# Altium PCB carrier.PcbDoc (part 4 of 5)
Units mm, origin at the board's own origin, x right, y up, seen from the top; angles counter-clockwise.
Board outline 140 x 87 mm, 4 copper layers (Component Side, Power_layer1, Power_layer2, Solder Side), stack 1.674 mm thick; 384 components, 416 nets, 1916 pads, 853 vias.
Unrouted connection lines stored in the file: 26.
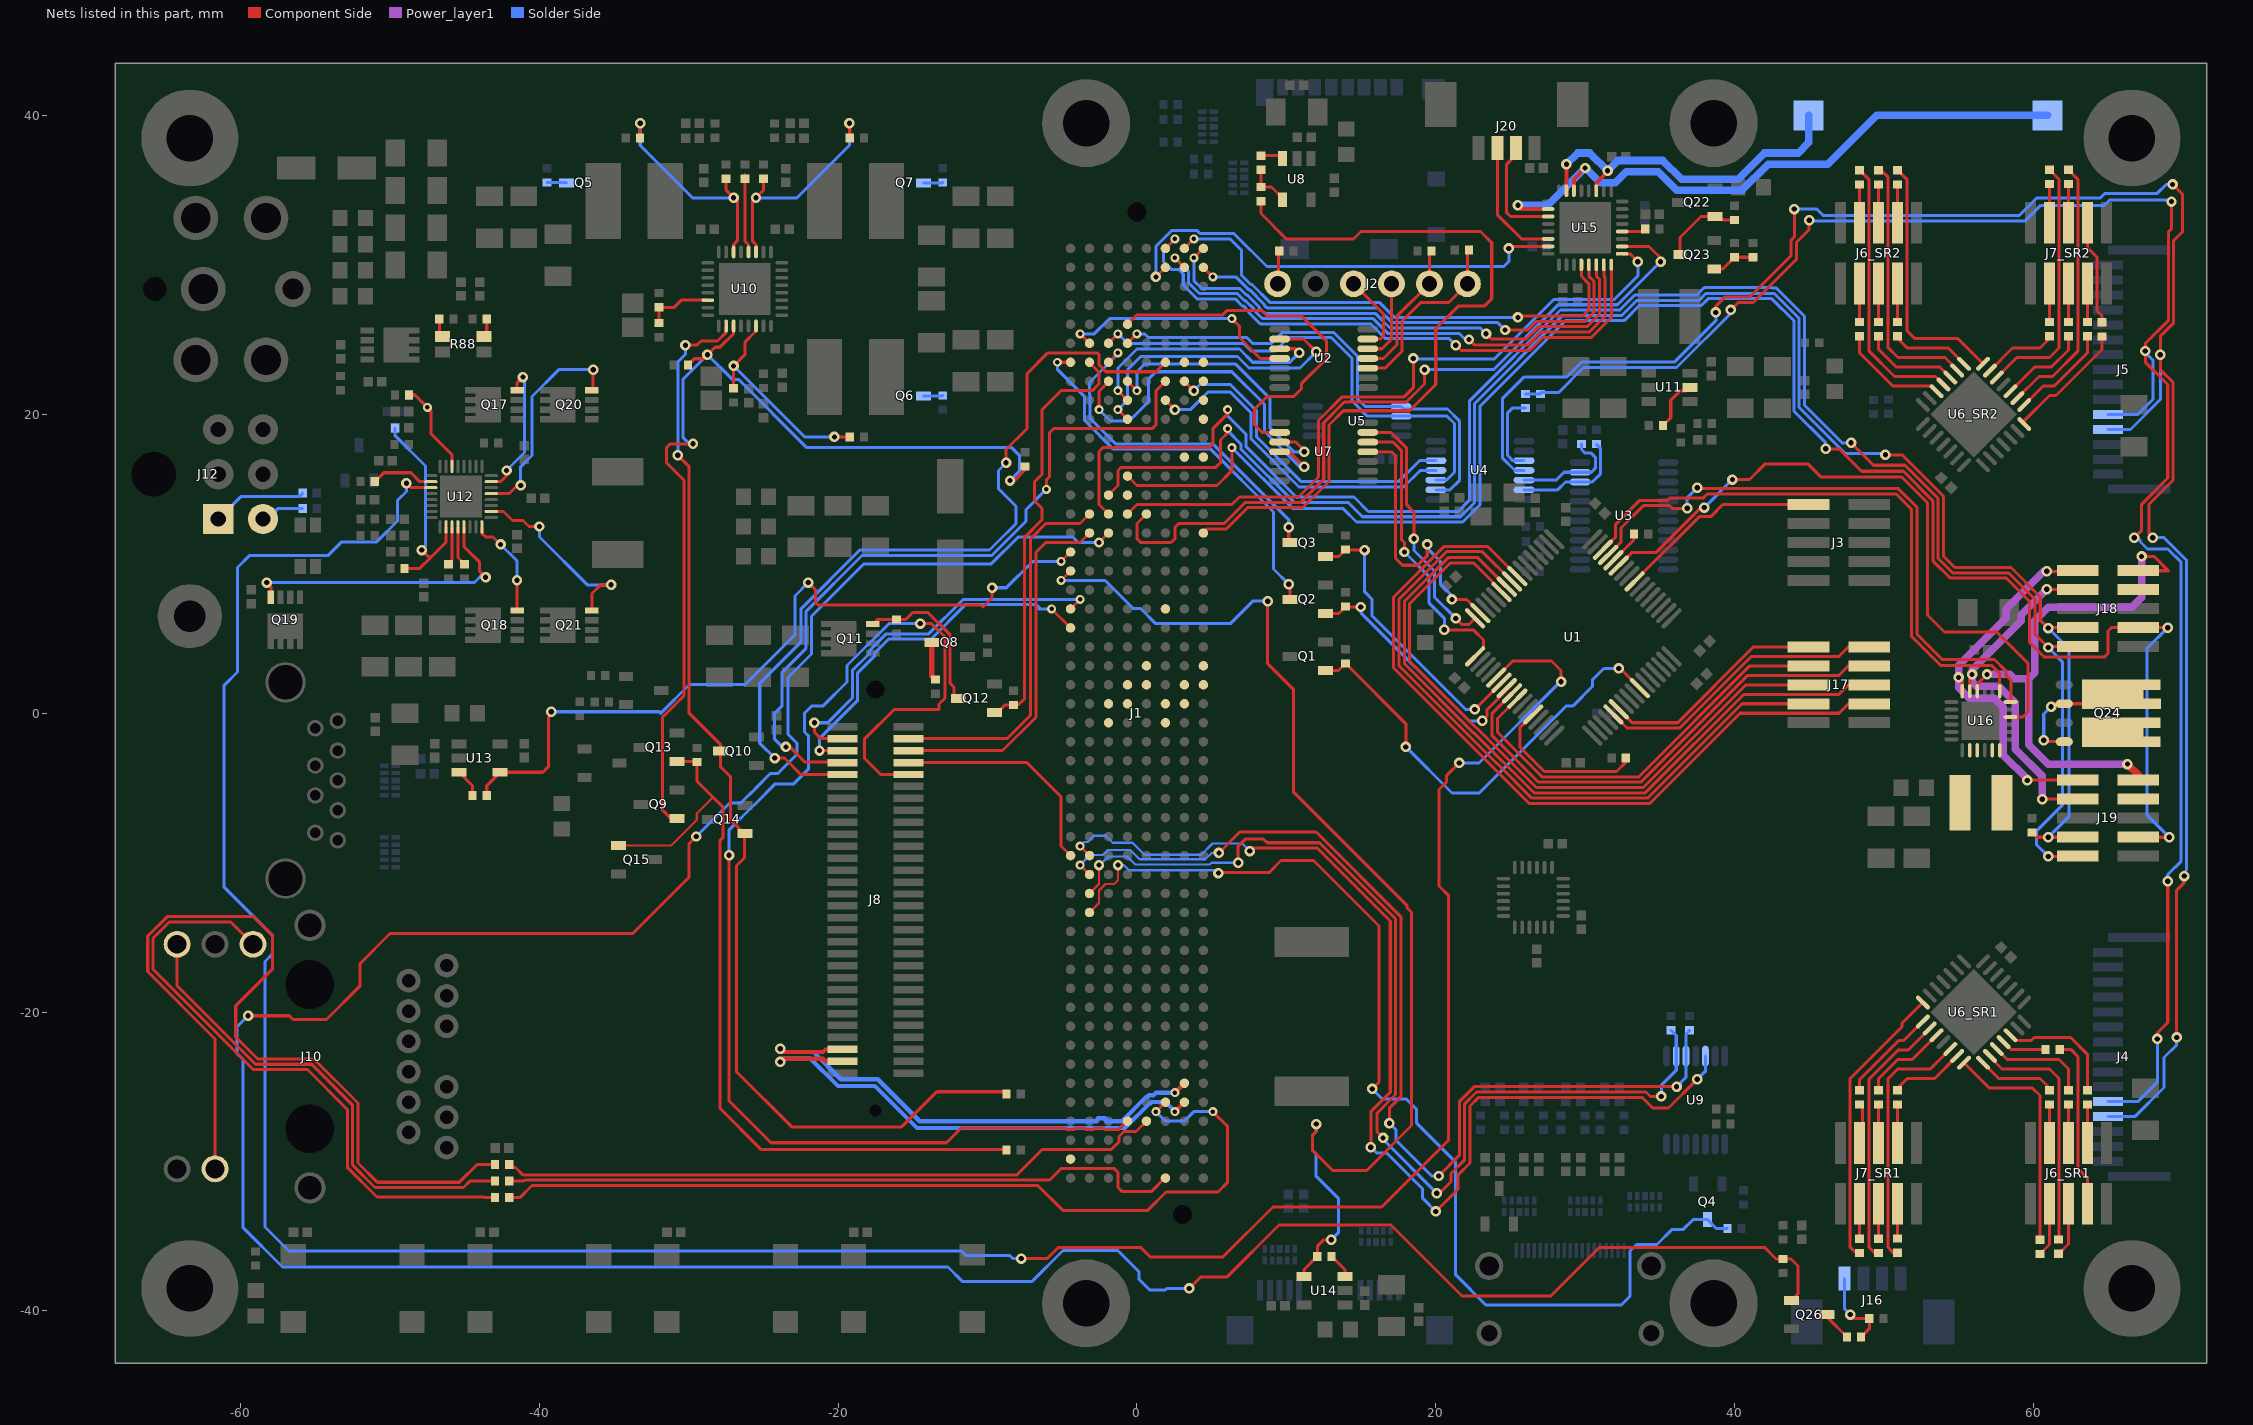
[diagram p6: the nets of this part, all layers, seen from the top]

## Via types
v1: diameter 0.7, hole 0.35, Component Side to Solder Side, 418 vias
v2: diameter 0.7, hole 0.35, Component Side to Solder Side, tented both sides, 128 vias
v3: diameter 0.6, hole 0.3, Component Side to Solder Side, tented top, 101 vias
v4: diameter 0.7, hole 0.35, Component Side to Solder Side, tented top, 72 vias
v5: diameter 0.7, hole 0.4, Component Side to Solder Side, 48 vias
v6: diameter 0.6, hole 0.3, Component Side to Solder Side, 39 vias
v7: diameter 0.7, hole 0.35, Component Side to Solder Side, tented bottom, 36 vias
v8: diameter 0.7, hole 0.4, Component Side to Solder Side, tented bottom, 7 vias
v9: diameter 1.27, hole 0.711, Component Side to Solder Side, 2 vias
v10: diameter 0.6, hole 0.3, Component Side to Solder Side, tented bottom, 2 vias

## Nets (pads, with @x,y where several pads share a name; then routed paths per layer and width w, separated by ;. In a path a pad name is that pad's centre, name@x,y a point inside that pad or via, vN(x,y) a via of type N, cw(c..) or ccw(c..) an arc to the next point about the centre after c; other vN are vias at no path point) (continued)
NetJ1_A7: J1.A7 Q2.D | length 27.1
  Component Side w0.203: v3(-5.334,23.495) J1.A7@-4.445,23.495 ; v1(10.16,8.636) 10.23,8.566 Q2.D@10.23,7.62
  Solder Side w0.203: v3(-5.334,23.495) -5.207,23.368 -5.334,23.241 -5.334,23.027 -3.5,21.193 -3.5,19.6 -1.578,17.678 4.933,17.678 9.144,13.467 9.144,9.652 v1(10.16,8.636)
NetJ1_A17: J1.A17 R102.1 U13.4 | length 52.1
  Component Side w0.203: R102.1@-43.525,-5.5 -43.525,-4.85 U13.4@-42.625,-3.95 -39.764,-3.95 -39.4,-3.586 -39.4,-0.3 -39.2,-0.1 v1(-39.2,0.1) ; v1(-22,8.75) -21.504,8.254 -21.504,7.395 -21.355,7.246 -10.434,7.246 -10.3,7.112 -9.7,7.712 v1(-9.7,8.4) ; v3(-5.08,10.16) J1.A17@-4.445,10.795
  Solder Side w0.203: v1(-39.2,0.1) -31.977,0.1 -31.877,0 -29.947,1.93 -26.229,1.93 -22.894,5.265 -22.894,7.856 v1(-22,8.75) ; v1(-9.7,8.4) -8.745,8.4 -6.985,10.16 v3(-5.08,10.16)
NetJ1_A18: J1.A18 R103.1 U14.4 | length 78.2
  Component Side w0.203: v3(-5.08,8.89) J1.A18@-4.445,9.525 ; v1(8.75,7.5) 8.75,3.32 10.465,1.606 10.465,-5.262 18.085,-12.882 18.085,-13.03 18.378,-13.324 18.378,-27.602 15.374,-30.606 13.106,-30.606 11.75,-29.25 11.75,-28.25 12,-28 v1(12,-27.5) ; U14.4@11.175,-37.7 11.175,-37.25 R103.1@12.075,-36.35 12.075,-35.675 12.5,-35.25 v1(13,-35.25)
  Solder Side w0.203: v3(-5.08,8.89) -2.124,8.89 -0.25,7.016 0.234,7.016 1.25,6 6.25,6 7.75,7.5 v1(8.75,7.5) ; v1(12,-27.5) 12,-28 11.75,-28.25 11.75,-29.25 12,-29.5 12,-31 13.5,-32.5 13.5,-34.75 v1(13,-35.25)
NetJ1_A20: J1.A20 J8.3 | length 26
  Component Side w0.203: v1(-21.59,-0.635) -21.59,-1.27 -21.16,-1.7 J8.3@-19.7,-1.7 ; J1.A20@-4.445,6.985 v3(-3.81,7.62)
  Solder Side w0.203: v1(-21.59,-0.635) -20.701,-0.635 -19.05,1.016 -19.05,2.856 -17.91,3.997 -17.91,4.188 -16.783,5.315 -13.937,5.315 -11.633,7.62 v3(-3.81,7.62)
NetJ1_A21: J1.A21 J8.5 | length 24.8
  Component Side w0.203: v1(-21.25,-2.5) J8.5@-19.7,-2.5 ; v3(-5.715,6.985) J1.A21@-4.445,5.715
  Solder Side w0.203: v1(-21.25,-2.5) -21.25,-1.687 -21.063,-1.5 -18.694,0.869 -18.694,2.709 -17.554,3.849 -17.554,4.036 -16.63,4.96 -13.79,4.96 -11.486,7.264 -6.731,7.264 -6.515,7.048 -6.579,6.985 v3(-5.715,6.985)
NetJ1_A33: J1.A33 J8.8 | length 15.4
  Component Side w0.203: J8.8@-15.3,-3.3 -7.368,-3.3 -5.08,-5.588 -5.08,-8.89 J1.A33@-4.445,-9.525
NetJ1_A49: J1.A49
NetJ1_B6: J1.B6 U2.4 | length 16.2
  Component Side w0.203: v3(-3.81,25.4) J1.B6@-3.175,24.765 ; v3(6.35,26.416) 6.858,25.908 6.858,25.146 8.254,23.75 U2.4@9.55,23.75
  Solder Side w0.203: v3(-3.81,25.4) -2.85,25.4 -1.834,26.416 v3(6.35,26.416)
NetJ1_B7: J1.B7 Q12.G R82.2 | length 28.9
  Component Side w0.203: Q12.G@-9.55,0.05 -9.35,0.05 -8.855,0.545 -8.255,0.545 R82.2@-8.25,0.55 -7.95,0.55 -7.518,0.982 -7.518,11.786 -6.354,12.95 -6.354,13.72 -6.858,14.224 -6.858,15.494 -6.354,15.998 -6.354,20.316 -5.08,21.59 -3.002,21.59 -2.54,22.052 -2.54,22.819 -3.175,23.454 J1.B7@-3.175,23.495
NetJ1_B15: J1.B15 J8.4 | length 25.3
  Component Side w0.203: J8.4@-15.3,-1.7 -8.7,-1.7 -7.112,-0.112 -7.112,11.689 -6.101,12.7 -3.81,12.7 J1.B15@-3.175,13.335
NetJ1_B16: J1.B16 J8.6 | length 24.6
  Component Side w0.203: J8.6@-15.3,-2.5 -8.997,-2.5 -6.756,-0.259 -6.756,10.77 -6.096,11.43 -3.81,11.43 J1.B16@-3.175,12.065
NetJ1_B33: J1.B33 U9.5 | length 73.6
  Component Side w0.203: v3(-3.81,-8.89) J1.B33@-3.175,-9.525 ; v1(7.55,-9.225) 7.75,-9.025 12.068,-9.025 16.956,-13.913 16.956,-25.37 15.652,-26.674 v1(15.652,-29.048) ; v1(20,-33.35) 21.5,-31.85 21.5,-30.9 22.29,-30.11 22.29,-26.291 22.87,-25.711 33.811,-25.711 34.525,-26.425 35.575,-26.425 v1(37.5,-24.5)
  Solder Side w0.152: v3(-3.81,-8.89) -3.536,-8.616 -3.291,-8.616 -2.88,-8.205 -2.095,-8.205 -1.625,-8.675 -0.292,-8.675 0.502,-9.469 4.306,-9.469 5.05,-8.725 7.05,-8.725 v1(7.55,-9.225)
  Solder Side w0.203: v1(15.652,-29.048) 16.029,-29.425 16.7,-29.425 19.121,-31.846 19.121,-32.471 v1(20,-33.35) ; v1(37.5,-24.5) 38,-24 38.05,-24 U9.5@38.05,-22.95
NetJ1_B34: J1.B34 R33.1 U9.3 | length 70.1
  Component Side w0.203: v3(-3.81,-10.16) J1.B34@-3.175,-10.795 ; v4(5.487,-9.35) 6.887,-7.95 11.999,-7.95 17.667,-13.618 17.667,-25.665 16.891,-26.441 16.891,-27.441 v1(16.9,-27.45) ; v1(20.2,-30.975) 21.578,-29.597 21.578,-25.997 22.575,-25 v1(36.125,-25)
  Solder Side w0.152: v3(-3.81,-10.16) -3.144,-9.494 -2.29,-9.494 -1.946,-9.15 -0.45,-9.15 0.173,-9.773 4.577,-9.773 5,-9.35 v4(5.487,-9.35)
  Solder Side w0.203: v1(16.9,-27.45) 17.35,-27.9 17.35,-28.6 19.725,-30.975 v1(20.2,-30.975) ; v1(36.125,-25) 36.75,-24.375 U9.3@36.75,-22.95 36.75,-21.475 R33.1@37,-21.225
NetJ1_B35: J1.B35 R32.1 U9.2 | length 72
  Component Side w0.152: J1.B35@-3.175,-12.065 -2.54,-11.43 v4(-2.54,-10.16)
  Component Side w0.203: v4(6.775,-10) 6.775,-8.9 7.25,-8.425 8.475,-8.425 8.719,-8.669 12.215,-8.669 17.311,-13.765 17.311,-25.518 16.075,-26.754 16.075,-28.025 v1(16.475,-28.425) ; v1(20.075,-32.125) 20.25,-32.125 21.019,-31.356 21.019,-30.803 21.934,-29.888 21.934,-26.144 22.722,-25.356 34.075,-25.356 34.369,-25.65 v1(35.1,-25.65)
  Solder Side w0.152: v4(-2.54,-10.16) -2.489,-10.16 -1.91,-9.581 -0.669,-9.581 -0.121,-10.129 4.871,-10.129 5,-10 v4(6.775,-10)
  Solder Side w0.203: v1(16.475,-28.425) 16.475,-28.525 v1(20.075,-32.125) ; v1(35.1,-25.65) 35.1,-24.9 36.1,-23.9 U9.2@36.1,-22.95 36.1,-21.575 R32.1@35.75,-21.225
NetJ1_B36: J1.B36 Q4.D R28.1 | length 74.4
  Component Side w0.152: J1.B36@-3.175,-13.335 -2.54,-12.7 -2.54,-11.861 -2.109,-11.43 -1.524,-11.43 -1.27,-11.176 v4(-1.27,-10.16)
  Component Side w0.203: v4(5.45,-10.7) 5.482,-10.668 8.832,-10.668 9.645,-9.855 11.814,-9.855 16.2,-14.241 16.2,-24.694 v1(15.748,-25.146)
  Solder Side w0.152: v4(-1.27,-10.16) -0.883,-10.16 -0.543,-10.5 5.25,-10.5 v4(5.45,-10.7)
  Solder Side w0.203: v1(15.748,-25.146) 16.427,-25.825 18.025,-25.825 18.725,-26.525 18.725,-27.439 21.336,-30.05 21.336,-37.592 23.368,-39.624 32.4,-39.624 33,-39.024 33,-36 33.435,-35.565 34.804,-35.565 35.825,-34.544 36.576,-34.544 37.22,-33.9 Q4.D@38.2,-33.9 38.8,-34.5 R28.1@39.525,-34.5
NetJ1_C6: J1.C6 U4.3 U5.6 | length 33
  Component Side w0.203: J1.C6@-1.905,24.765 v3(-1.27,25.4)
  Solder Side w0.203: v3(-1.27,25.4) -0.635,24.765 7.132,24.765 7.647,24.25 9.25,24.25 10.146,25.146 13.008,25.146 14.404,23.75 14.404,23.25 14.394,23.24 14.394,20.912 15.423,19.883 U5.6@17.682,19.883 20.757,19.883 21.25,19.39 21.25,16.138 20.718,15.606 U4.3@20.012,15.606
NetJ1_C7: J1.C7 Q3.D | length 23.8
  Component Side w0.203: J1.C7@-1.905,23.495 v3(-1.27,24.13) ; v1(10.16,12.446) 10.16,11.5 Q3.D@10.23,11.43
  Solder Side w0.203: v3(-1.27,24.13) -1.27,24.043 -3.175,22.138 -3.175,21.371 -3.144,21.34 -3.144,19.747 -1.431,18.034 5.08,18.034 10.16,12.954 v1(10.16,12.446)
NetJ1_C8: J1.C8 U7.4 | length 24.2
  Component Side w0.203: v3(-2.54,20.32) -2.54,21.549 -1.905,22.184 J1.C8@-1.905,22.225 ; U7.4@9.55,17.5 10.2,17.5 v1(11.2,16.5)
  Solder Side w0.203: v3(-2.54,20.32) -1.778,19.558 -0.508,19.558 0.762,20.828 0.762,22.352 1.27,22.86 6.35,22.86 8.534,20.676 8.534,18.866 10.9,16.5 v1(11.2,16.5)
NetJ1_C16: J1.C16 Q26.G R31.1 | length 209.6
  Component Side w0.203: v1(-59.5,-20.25) -56.75,-20.25 -56.5,-20.5 -54.25,-20.5 -52,-18.25 -52,-16.75 -50,-14.75 -33.75,-14.75 -30,-11 -30,-8.75 v1(-29.5,-8.25) ; v4(-2.54,11.43) J1.C16@-1.905,12.065 ; v1(3.5,-38.5) 4.25,-37.75 6.003,-37.75 9.503,-34.25 17,-34.25 21.752,-39.002 27.705,-39.002 30.957,-35.75 42,-35.75 42.775,-36.525 R31.1@43.25,-36.525 43.775,-36.525 44.25,-37 44.25,-38.85 Q26.G@43.8,-39.3
  Solder Side w0.203: v1(-59.5,-20.25) -60.25,-21 -60.25,-22.75 -59.856,-23.144 -59.856,-34.41 -57.199,-37.067 -12.655,-37.067 -11.698,-38.024 -7.018,-38.024 -4.955,-35.961 -1.295,-35.961 0.144,-37.4 0.144,-37.897 0.853,-38.606 1.892,-38.606 1.997,-38.5 v1(3.5,-38.5) ; v1(-29.5,-8.25) -27.247,-5.997 -26.503,-5.997 -25.936,-5.43 -25.912,-5.43 -25.558,-5.076 -25.558,-5.052 -24.545,-4.039 -24.042,-4.039 -22.751,-2.749 -22.751,-2.001 -23.356,-1.397 -23.356,2.394 -21.789,3.961 -21.789,6.487 -18.276,10 -9.75,10 -7.964,11.786 -4.286,11.786 -3.93,11.43 v4(-2.54,11.43)
NetJ1_C25: J1.C25
NetJ1_C26: J1.C26
NetJ1_D5: J1.D5 U7.2 | length 25.1
  Component Side w0.203: J1.D5@-0.635,26.035 0,26.67 5.75,26.67 6.05,26.97 8.33,26.97 8.7,26.6 11,26.6 12.7,24.9 12.7,23.75 11,22.05 11,21.7 10.5,21.2 8.718,21.2 7.874,20.356 7.874,19.304 8.378,18.8 U7.2@9.55,18.8
NetJ1_D6: J1.D6 U4.2 U5.5 | length 33
  Component Side w0.203: J1.D6@-0.635,24.765 v3(0,25.4)
  Solder Side w0.203: v3(0,25.4) 0.508,25.4 0.762,25.146 7.354,25.146 7.75,24.75 9,24.75 9.752,25.502 13.155,25.502 14.76,23.897 14.76,23.103 14.75,23.093 14.75,21.064 15.281,20.533 U5.5@17.682,20.533 17.853,20.362 20.781,20.362 21.606,19.537 21.606,15.606 20.956,14.956 U4.2@20.012,14.956
NetJ1_D8: J1.D8 U7.3 | length 19.3
  Component Side w0.203: J1.D8@-0.635,22.225 v3(0,21.59) ; U7.3@9.55,18.15 10.65,18.15 11.3,17.5 v1(11.2,17.5)
  Solder Side w0.203: v3(0,21.59) 0,22.86 0.508,23.368 6.604,23.368 8.89,21.082 8.89,19.11 10.5,17.5 v1(11.2,17.5)
NetJ1_D9: J1.D9 U2.3 | length 17.2
  Component Side w0.203: v3(-1.27,21.59) J1.D9@-0.635,20.955 ; U2.3@9.55,24.4 10.6,24.4 v1(10.87,24.13)
  Solder Side w0.203: v3(-1.27,21.59) -1.27,23.114 0,24.384 6.858,24.384 7.747,23.495 10.235,23.495 v1(10.87,24.13)
NetJ1_D10: J1.D10 U2.2 | length 20.4
  Component Side w0.203: v3(-1.27,20.32) J1.D10@-0.635,19.685 ; U2.2@9.55,25.05 11.145,25.05 v1(12,24.195)
  Solder Side w0.203: v3(-1.27,20.32) -0.635,20.955 -0.635,22.987 0.254,23.876 6.736,23.876 7.498,23.114 10.919,23.114 v1(12,24.195)
NetJ1_D14: J1.D14
NetJ1_D15: J1.D15 U15.9 | length 46.4
  Component Side w0.203: J1.D15@-0.635,13.335 0,13.97 6.35,13.97 6.858,14.478 10.81,14.478 12.147,15.814 12.147,19.595 13.736,21.184 17.887,21.184 18.5,21.797 v1(18.5,23.75) ; U15.9@32.475,30.75 33.004,30.75 v1(33.528,30.226)
  Solder Side w0.203: v1(18.5,23.75) 18.532,23.718 23.918,23.718 27.9,27.7 31.956,27.7 33.528,29.272 v1(33.528,30.226)
NetJ1_D24: J1.D24
NetJ1_D25: J1.D25
NetJ1_D47: J1.D47 J8.10 | length 86.1
  Component Side w0.203: v1(-27.3,-9.5) -27.3,-25.95 -24.5,-28.75 -12.748,-28.75 -11.748,-27.75 -4.808,-27.75 -4.682,-27.876 -4.208,-27.876 -4.082,-27.75 -3.538,-27.75 -3.412,-27.876 -2.938,-27.876 -2.812,-27.75 -2.268,-27.75 -2.142,-27.876 -1.248,-27.876 -0.676,-27.305 J1.D47@-0.635,-27.305 ; J8.10@-15.3,-4.1 -17.15,-4.1 -18.25,-3 -18.25,-1.75 -16.25,0.25 -13.25,0.25 -13.25,0.616 -12.856,1.01 -12.856,5.103 -13.753,6 v1(-14.5,6)
  Solder Side w0.203: v1(-27.3,-9.5) -27.3,-7.8 -25.641,-6.141 -25.617,-6.141 -24.847,-5.371 -24.847,-5.347 -24.25,-4.75 -23,-4.75 -22,-3.75 -22,-1.5 -22.25,-1.25 -22.25,0 -21.75,0.5 -21,0.5 -19.406,2.094 -19.406,3.195 -16.601,6 v1(-14.5,6)
NetJ1_E15: J1.E15 U15.10 | length 51.6
  Component Side w0.203: J1.E15@0.635,13.335 0,12.7 0,11.684 0.254,11.43 2.286,11.43 2.54,11.684 2.54,12.446 2.794,12.7 5.842,12.7 7.264,14.122 10.958,14.122 12.502,15.667 12.502,19.447 13.883,20.828 18.034,20.828 19.25,22.044 v1(19.25,23) ; U15.10@32.475,31.25 34.282,31.25 35.306,30.226 v1(35.052,30.226)
  Solder Side w0.203: v1(19.25,23) 23.862,23 28.206,27.344 32.17,27.344 v1(35.052,30.226)
NetJ1_E23: J1.E23
NetJ1_E24: J1.E24
NetJ1_E47: J1.E47 R27.2 | length 44.6
  Component Side w0.203: R27.2@-42.025,-30.2 -41.825,-30.4 -41.6,-30.4 -41.106,-30.894 -8.034,-30.894 -6.35,-29.21 -1.732,-29.21 -1.206,-28.685 -1.206,-28.338 -0.872,-28.003 -0.064,-28.003 J1.E47@0.635,-27.305
NetJ1_F1: J1.F1 U15.8 | length 40.1
  Component Side w0.203: J1.F1@1.905,31.115 v3(2.54,31.75) ; v1(21.336,24.638) 21.692,24.282 26.299,24.282 27.181,25.164 30.426,25.164 31.75,26.488 U15.8@31.75,30.025
  Solder Side w0.203: v3(2.54,31.75) 1.778,30.988 1.778,30.226 2.286,29.718 2.799,29.718 3.099,29.418 3.099,28.661 4.023,27.737 6.574,27.737 7.036,27.274 7.108,27.274 7.462,26.92 7.462,26.848 8.206,26.104 8.25,26.104 8.297,26.058 15.661,26.058 16.641,25.078 20.896,25.078 v1(21.336,24.638)
NetJ1_F2: J1.F2 U15.31 | length 31.7
  Component Side w0.203: v4(1.27,29.21) J1.F2@1.905,29.845 ; v1(24.892,31.115) 25.027,31.25 U15.31@27.525,31.25
  Solder Side w0.203: v4(1.27,29.21) 1.27,31.275 1.282,31.275 2.311,32.304 4.039,32.304 4.238,32.106 6.502,32.106 8.704,29.904 24.552,29.904 24.892,30.244 v1(24.892,31.115)
NetJ1_F7: J1.F7 J8.9 | length 55.7
  Component Side w0.203: v1(-24.25,-3) -23.6,-3 -22.5,-4.1 J8.9@-19.7,-4.1 ; v1(-8.763,16.764) -8.763,17.653 -7.366,19.05 -7.366,22.733 -5.969,24.13 -2.667,24.13 -2.54,24.003 -2.54,23.322 -2.078,22.86 1.27,22.86 J1.F7@1.905,23.495
  Solder Side w0.203: v1(-24.25,-3) -25.25,-2 -25.25,2 -22.5,4.75 -22.5,6.969 -18.547,10.922 -9.867,10.922 -9.398,11.391 -8.1,12.688 -8.1,13.852 -9.271,15.023 -9.271,16.256 v1(-8.763,16.764)
NetJ1_F8: J1.F8 J8.7 | length 49
  Component Side w0.203: v1(-23.5,-2.25) -23.25,-2.25 -22.25,-3.25 -19.75,-3.25 J8.7@-19.7,-3.3 ; v3(-6.071,14.986) -6.071,15.615 -5.842,15.843 -5.842,18.796 -5.588,19.05 1.016,19.05 1.27,19.304 1.27,21.59 J1.F8@1.905,22.225
  Solder Side w0.203: v1(-23.5,-2.25) -23.75,-2.25 -24.25,-1.75 -24.25,0 -23.75,0.5 -23.75,2.75 -22.144,4.356 -22.144,6.822 -18.4,10.566 -9.719,10.566 -9.127,11.159 -7.432,12.854 -7.432,13.625 v3(-6.071,14.986)
NetJ1_F9: J1.F9 U4.4 | length 23
  Component Side w0.203: J1.F9@1.905,20.955 v4(2.54,20.32)
  Solder Side w0.203: v4(2.54,20.32) 3.57,20.32 4.75,21.5 6.247,21.5 7.644,20.103 7.644,18.353 10.853,15.144 17.844,15.144 18.956,16.256 U4.4@20.012,16.256
NetJ1_F20: J1.F20
NetJ1_F25: J1.F25
NetJ1_F26: J1.F26
NetJ1_F46: J1.F46 R36.1 | length 60.3
  Component Side w0.203: R36.1@-42.025,-32.4 -41.29,-32.4 -40.501,-31.611 -6.639,-31.611 -4.976,-33.274 0.713,-33.274 1.945,-32.042 5.423,-32.042 6.071,-31.394 6.071,-27.661 v3(5.08,-26.67) ; v3(1.27,-26.67) J1.F46@1.905,-26.035
  Solder Side w0.203: v3(1.27,-26.67) 1.905,-27.305 3.175,-27.305 3.81,-26.67 v3(5.08,-26.67)
NetJ1_F50: J1.F50 R37.2 | length 45.9
  Component Side w0.203: R37.2@-42.025,-31.3 -41.05,-31.3 -41,-31.25 -5.842,-31.25 -5.08,-30.488 -1.516,-30.488 -1.27,-30.734 -1.27,-31.746 -1.016,-32 0.981,-32 1.866,-31.115 J1.F50@1.905,-31.115
NetJ1_G1: J1.G1 U15.4 | length 33.9
  Component Side w0.203: J1.G1@3.175,31.115 v3(3.81,31.75) ; v1(25.5,26.5) 25.586,26.586 29.836,26.586 30.25,27 30.25,28.75 29.75,29.25 U15.4@29.75,30.025
  Solder Side w0.203: v3(3.81,31.75) 6.25,31.75 7,31 7,29.322 7.626,28.696 7.697,28.696 8.914,27.48 16.25,27.48 17.23,26.5 v1(25.5,26.5)
NetJ1_G2: J1.G2 U15.7 | length 37
  Component Side w0.203: v3(2.54,30.48) J1.G2@3.175,29.845 ; v1(22.225,25.019) 22.606,24.638 26.152,24.638 27.033,25.52 30.278,25.52 31.317,26.558 31.317,29.192 31.25,29.259 U15.7@31.25,30.025
  Solder Side w0.203: v3(2.54,30.48) 3.454,29.566 3.454,28.809 4.171,28.092 6.721,28.092 7.184,27.63 7.255,27.63 7.818,27.067 7.818,26.996 8.354,26.46 8.397,26.46 8.444,26.413 15.808,26.413 16.788,25.433 21.557,25.433 22.098,24.892 v1(22.225,25.019)
NetJ1_G7: J1.G7
NetJ1_G8: J1.G8 U4.5 | length 21.6
  Component Side w0.203: J1.G8@3.175,22.225 v4(3.81,21.59)
  Solder Side w0.203: v4(3.81,21.59) 4.22,22 6.25,22 8,20.25 8,18.5 11,15.5 17.5,15.5 18.906,16.906 U4.5@20.012,16.906
NetJ1_G12: J1.G12
NetJ1_G24: J1.G24
NetJ1_G25: J1.G25
NetJ1_H1: J1.H1 U15.6 | length 35.3
  Component Side w0.203: v3(3.81,30.48) J1.H1@4.445,31.115 ; v1(23.368,25.4) 23.718,25.05 26.061,25.05 26.886,25.875 30.131,25.875 30.961,26.705 30.961,29.045 30.75,29.256 U15.6@30.75,30.025
  Solder Side w0.203: v3(3.81,30.48) 3.81,28.956 4.318,28.448 6.868,28.448 7.331,27.985 7.403,27.985 8.173,27.215 8.173,27.143 8.501,26.815 8.545,26.815 8.591,26.769 15.955,26.769 16.935,25.789 22.979,25.789 v1(23.368,25.4)
NetJ1_H2: J1.H2 U15.5 | length 31.8
  Component Side w0.203: J1.H2@4.445,29.845 v3(5.08,29.21) ; v1(24.638,25.654) 26.162,25.654 26.739,26.231 29.984,26.231 30.606,26.853 30.606,28.897 30.25,29.253 U15.5@30.25,30.025
  Solder Side w0.203: v3(5.08,29.21) 6.609,29.21 7.478,28.341 7.55,28.341 8.529,27.362 8.529,27.29 8.648,27.171 8.692,27.171 8.738,27.124 16.103,27.124 17.083,26.144 24.148,26.144 v1(24.638,25.654)
NetJ1_H7: J1.H7
NetJ1_H8: J1.H8
NetJ1_H9: J1.H9
NetJ1_H10: J1.H10
NetJ1_H12: J1.H12
NetJ1_H16: J1.H16 R23.1 | length 51.5
  Component Side w0.203: J1.H16@4.445,12.065 4.724,12.344 5.989,12.344 7.412,13.767 11.105,13.767 12.858,15.52 12.858,19.3 13.808,20.25 18.25,20.25 20,22 20,25.75 21.5,27.25 23.25,27.25 23.75,27.75 23.75,31.5 23,32.25 15,32.25 14.5,31.75 10,31.75 8.3,33.45 R23.1@8.3,34.275
NetJ1_H23: J1.H23
NetJ1_H24: J1.H24
NetJ2_1: J2.1 R3.1 | length 2.1
  Component Side w0.203: J2.1@9.466,28.75 R3.1@9.466,30.891
NetJ2_3: J2.3 U2.13 | length 5.5
  Component Side w0.203: J2.3@14.5,28.75 16.5,26.75 16.5,25.25 16.3,25.05 U2.13@15.45,25.05
NetJ2_4: J2.4 U2.12 | length 5.6
  Component Side w0.203: U2.12@15.45,24.4 16.4,24.4 17.04,25.04 J2.4@17.04,28.75
NetJ2_5: J2.5 R2.1 U2.11 | length 9.6
  Component Side w0.203: U2.11@15.45,23.75 16.5,23.75 17.396,24.646 17.396,26.566 J2.5@19.58,28.75 19.58,30.805 R2.1@19.725,30.95
NetJ2_6: J2.6 R1.1 U2.10 | length 12.5
  Component Side w0.203: U2.10@15.45,23.1 16.6,23.1 17.751,24.251 17.751,26.251 18.98,27.48 20.85,27.48 J2.6@22.12,28.75 22.12,30.895 R1.1@22.225,31
NetJ4_11: J4.11 J5.11 R20.2 R21.1 | length 125
  Component Side w0.203: v1(39.75,27) 40.25,27.5 41.247,27.5 44.144,30.397 44.144,31.521 45,32.377 v1(45,33) ; v1(66.75,11.75) 67.25,12.25 67.25,14 69,15.75 69,22 67.5,23.5 v1(67.5,24.25) 67.5,24.744 69.037,26.281 69.037,32.212 69.25,32.425 v1(69.25,34.25) ; v1(68.3,-21.8) 68.3,-21.4 69,-20.7 v1(69,-11.25)
  Solder Side w0.203: R21.1@26,21.375 R20.2@27,21.375 ; R20.2@27,21.475 28.228,21.475 29.897,23.144 36.119,23.144 39.974,27 v1(39.75,27) ; v1(45,33) 45.039,32.961 59.464,32.961 60.503,34 64.75,34 65.104,34.354 69.146,34.354 v1(69.25,34.25) ; J4.11@65,-26 67,-26 68.3,-24.7 v1(68.3,-21.8) ; J5.11@65,20 66.997,20 68,21.003 68,23.646 67.5,24.146 v1(67.5,24.25) ; v1(66.75,11.75) 67,11.75 67.146,11.604 67.146,11.5 67.646,11 69,11 69.9,10.1 69.9,-9.9 69,-10.8 v1(69,-11.25)
NetJ4_12: J4.12 J5.12 U4.11 | length 135.6
  Component Side w0.203: v1(38.75,26.83) 38.75,27.25 39.356,27.856 41,27.856 43.789,30.644 43.789,31.669 44,31.88 v1(44,33.75) ; v1(68,11.75) 67.961,11.75 67.75,11.961 67.75,13.997 69.356,15.603 69.356,22.147 68.5,23.003 v1(68.5,24) 68.5,25.241 69.393,26.134 69.393,31.643 70,32.25 70,34.725 v1(69.325,35.4) ; v1(69.6,-21.7) 69.6,-11.85 70.1,-11.35 v1(70.1,-10.9)
  Solder Side w0.203: U4.11@25.912,16.256 25.303,16.256 24.456,17.103 24.456,21.056 25.9,22.5 28.75,22.5 29.75,23.5 35.972,23.5 38.75,26.278 v1(38.75,26.83) ; v1(44,33.75) 45.5,33.75 45.933,33.317 59.067,33.317 60.25,34.5 64.5,34.5 64.8,34.8 68.3,34.8 68.9,35.4 v1(69.325,35.4) ; J4.12@65,-27 66.8,-27 68.75,-25.05 68.75,-23.05 69.6,-22.2 v1(69.6,-21.7) ; J5.12@65,19 66.5,19 68.5,21 v1(68.5,24) ; v1(68,11.75) 68.75,11.75 68.75,11.753 70.256,10.247 70.256,-10.497 70.1,-10.653 v1(70.1,-10.9)
NetJ10_13: J10.13 R27.1 | length 58.9
  Component Side w0.203: J10.13@-61.71,-30.5 -61.71,-21.799 -66.216,-17.292 -66.216,-14.913 -64.917,-13.614 -59.138,-13.614 -57.856,-14.897 -57.856,-17.103 -60.325,-19.572 -60.325,-21.675 -58.861,-23.139 -55.098,-23.139 -52.144,-26.093 -52.144,-30.103 -50.853,-31.394 -45.364,-31.394 -44.17,-30.2 R27.1@-42.975,-30.2
NetJ10_15: J10.15 R36.2 | length 41.3
  Component Side w0.203: J10.15@-59.17,-15.463 -60.663,-13.97 -64.77,-13.97 -65.861,-15.061 -65.861,-17.145 -59.155,-23.851 -55.524,-23.851 -52.856,-26.519 -52.856,-30.397 -50.868,-32.385 -43.7,-32.385 -43.685,-32.4 R36.2@-42.975,-32.4